# KiCad board pandemonium EC 175u plate.kicad_pcb
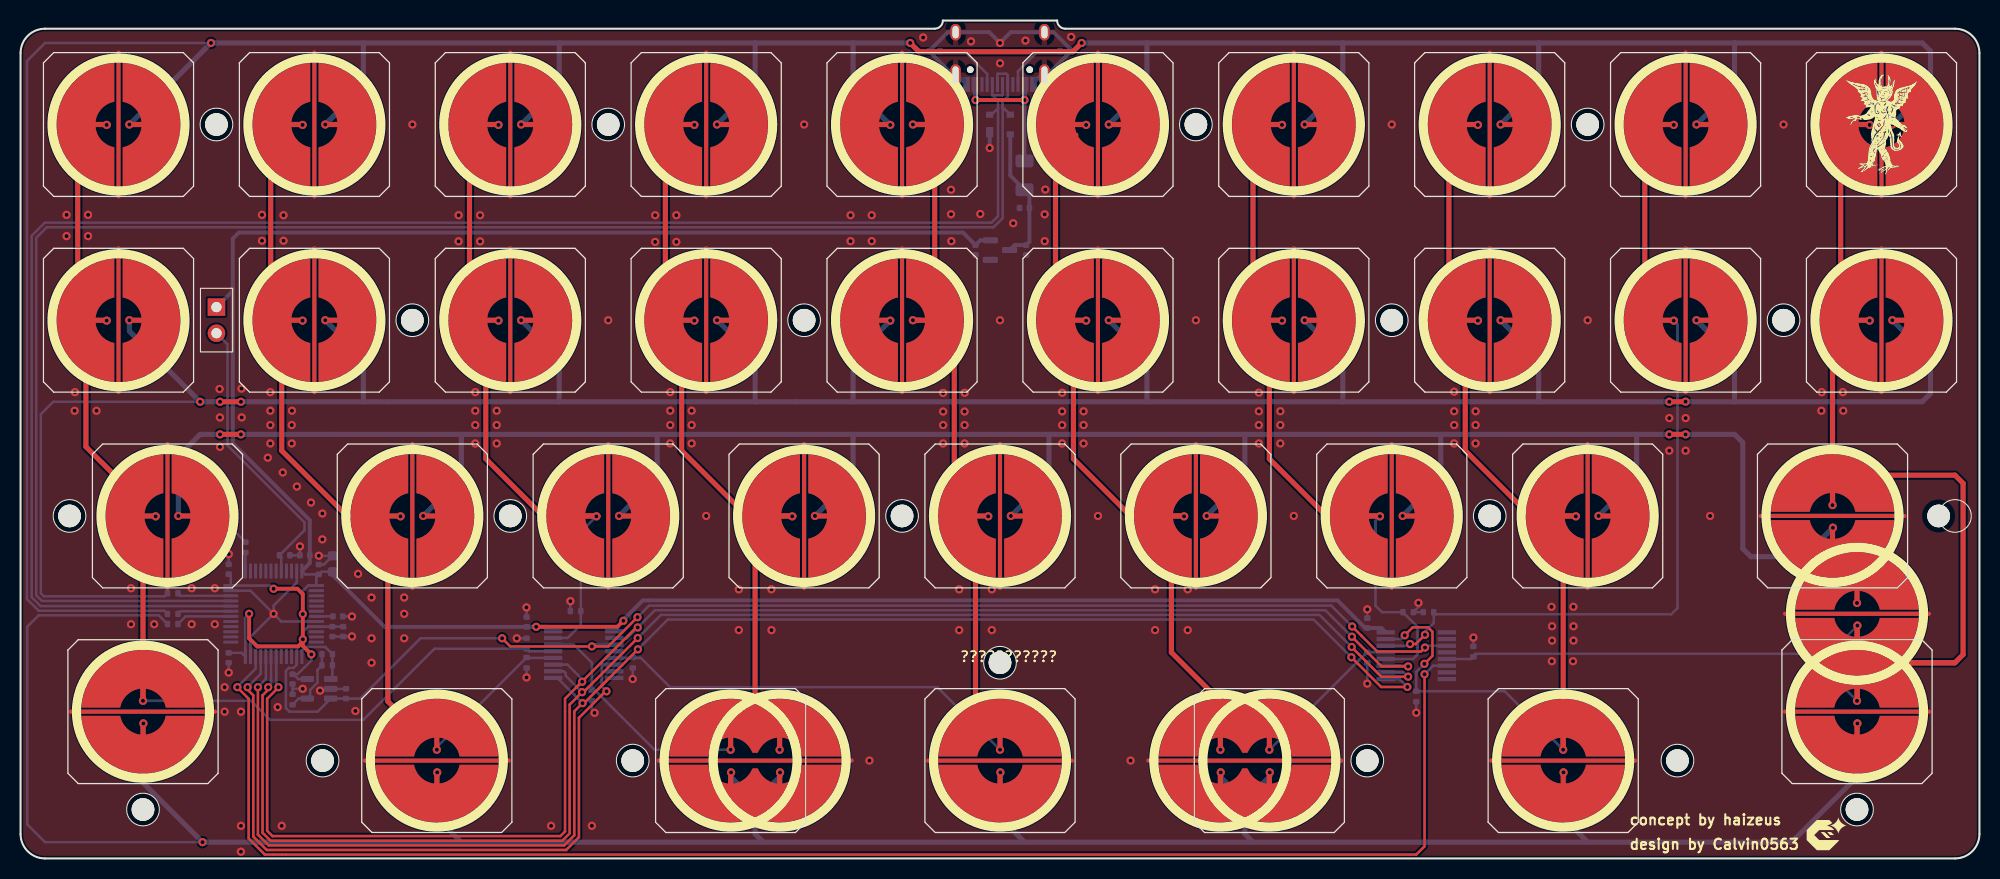
[diagram p0: board, top side]
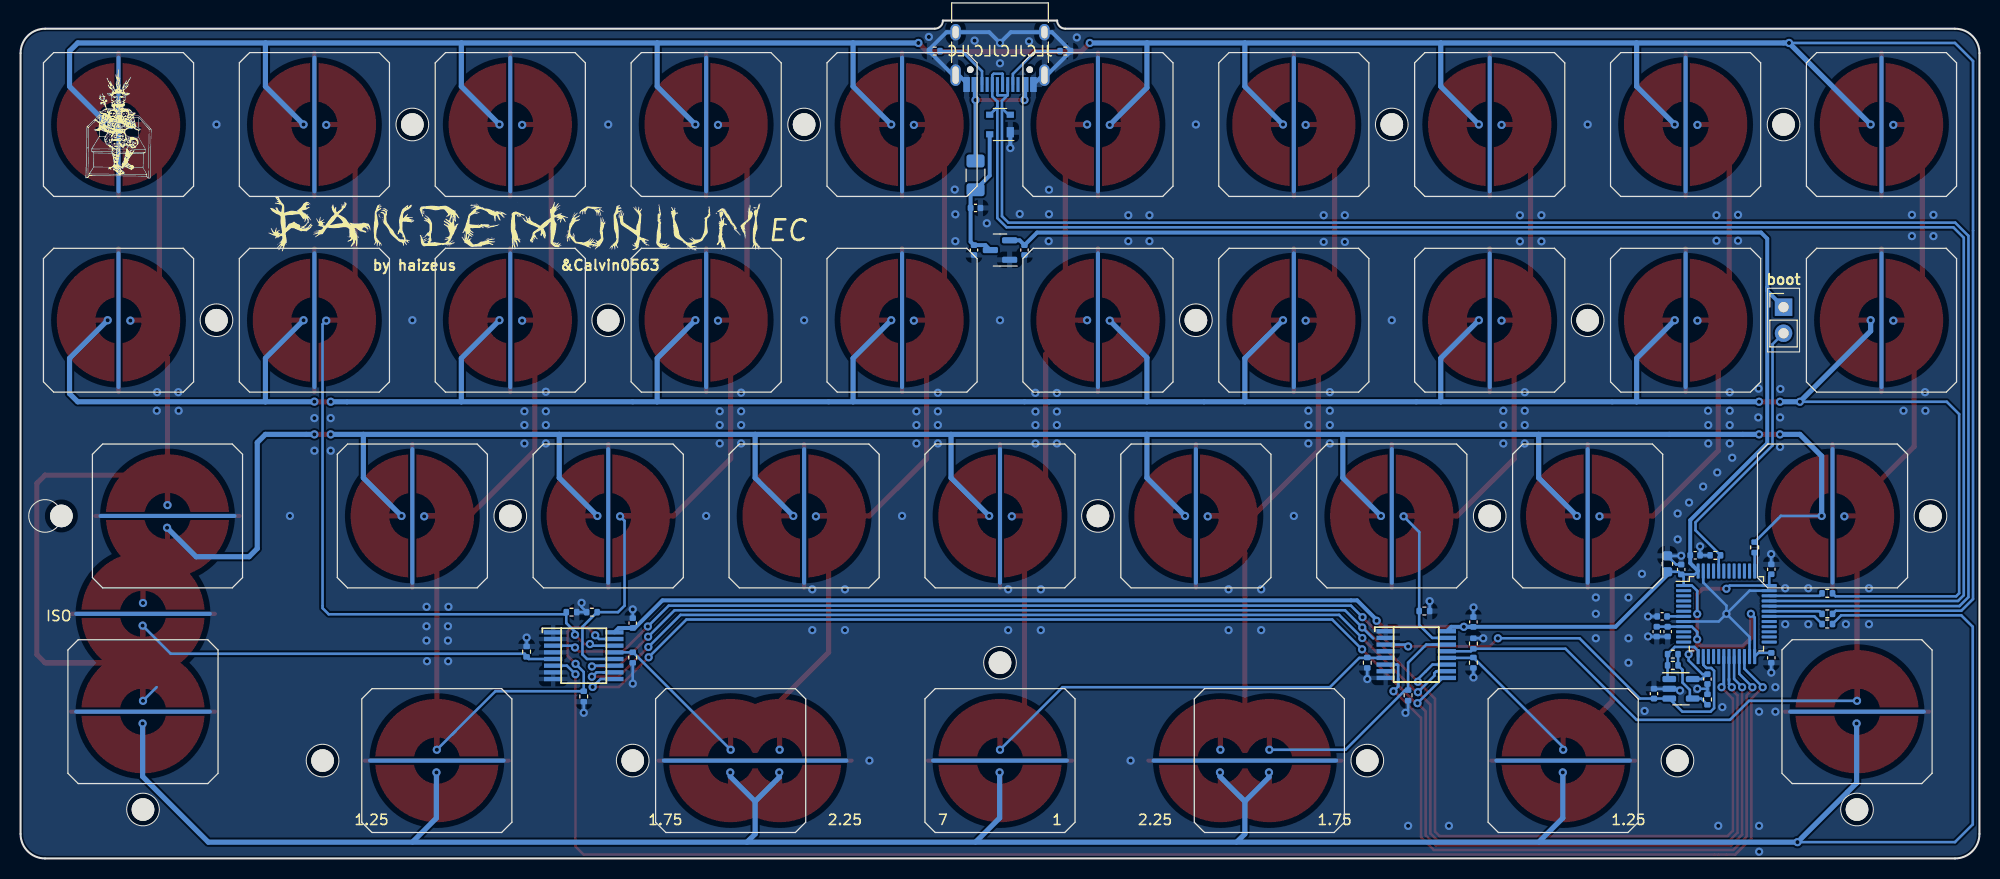
[diagram p1: board, bottom side, seen from below]

Outline 190.5 x 81.56 mm; copper layers: Top, Bottom. Coordinates in mm from the lower left corner of the outline.
Outline path: circle c4.76,33.34 r1.59 ; circle c11.91,4.76 r1.59 ; rectangle 17.49,55.5 20.63,49.3 ; circle c19.05,71.44 r1.59 ; circle c29.37,9.53 r1.59 ; circle c38.1,52.39 r1.59 ; circle c47.62,33.34 r1.59 ; circle c57.15,71.44 r1.59 ; circle c59.53,9.53 r1.59 ; circle c76.2,52.39 r1.59 ; circle c85.72,33.34 r1.59 ; circle c95.25,19.05 r1.59 ; circle c114.3,71.44 r1.59 ; circle c130.97,9.53 r1.59 ; circle c133.35,52.39 r1.59 ; circle c142.88,33.34 r1.59 ; circle c152.4,71.44 r1.59 ; circle c161.13,9.53 r1.59 ; circle c171.45,52.39 r1.59 ; circle c178.59,4.76 r1.59 ; circle c188.12,33.34 r1.59 ; 0,78.38 0,2.38 arc(0.7,0.7) 2.38,0 188.12,0 arc(189.8,0.7) 190.5,2.38 190.5,78.38 arc(189.8,80.07) 188.12,80.76 101.6,80.76 arc(101.04,80.99) 100.81,81.56 89.69,81.56 arc(89.46,80.99) 88.9,80.76 2.38,80.76 arc(0.7,80.07) 0,78.38
Stack: Top 0.035mm / dielectric 1.5mm 7268 er 4.6 / Bottom 0.035mm

## Placement (name value [footprint] x y rotation side)
C29  100n  [C_0402_1005Metric]  26.45 17.46 90 bottom
C30  220pF NP0  [C_0402_1005Metric]  31.65 16.04 90 bottom
C31  100n  [C_0402_1005Metric]  49.21 23.02 270 bottom
C32  100n  [C_0402_1005Metric]  130.97 22.91 270 bottom
C33  100nF  [C_0402_1005Metric]  29 28.13 90 bottom
C34  100nF  [C_0402_1005Metric]  30.32 22.08 270 bottom
C35  100nF  [C_0402_1005Metric]  20.24 28.15 90 bottom
C36  100nF  [C_0402_1005Metric]  27.65 29.51 180 bottom
C37  10uF  [C_0603_1608Metric]  30.35 28.68 90 bottom
C38  100n  [C_0402_1005Metric]  20.24 19.53 270 bottom
C39  1u  [C_0402_1005Metric]  31.38 22.08 270 bottom
C40  100nF  [C_0402_1005Metric]  30.86 23.56 0 bottom
C41  1uF  [C_0402_1005Metric]  97.78 59.22 90 bottom
C42  1uF  [C_0402_1005Metric]  92.87 59.22 90 bottom
C44  100nF  [C_0402_1005Metric]  97.63 63.31 180 bottom
F3  ASMD1206-150  [Fuse_1206_3216Metric]  97.63 66.49 270 bottom
G***  -  [LOGO]  103.19 130.18 0 top
G***#2  -  [LOGO]  180.97 71.44 0 top
G***#3  -  [LOGO]  -20.64 40.48 90 top
G***#4  -  [LOGO]  175.42 2.38 0 top
G***#5  -  [LOGO]  180.97 71.44 180 bottom
G***#6  -  [LOGO]  142.88 61.91 180 bottom
G***#7  -  [LOGO]  -11.91 84.14 180 bottom
H1  MountingHole  [HOLE_M2]  19.05 71.44 0 top
H2  MountingHole  [HOLE_M2]  38.1 52.39 0 top
H3  MountingHole  [HOLE_M2]  57.15 71.44 0 top
H4  MountingHole  [HOLE_M2]  76.2 52.39 0 top
H5  MountingHole  [HOLE_M2]  114.3 71.44 0 top
H6  MountingHole  [HOLE_M2]  133.35 52.39 0 top
H7  MountingHole  [HOLE_M2]  152.4 71.44 0 top
H8  MountingHole  [HOLE_M2]  171.45 52.39 0 top
H9  MountingHole  [HOLE_M2]  4.76 33.34 0 top
H10  MountingHole  [HOLE_M2]  47.62 33.34 0 top
H11  MountingHole  [HOLE_M2]  85.72 33.34 0 top
H12  MountingHole  [HOLE_M2]  142.88 33.34 0 top
H13  MountingHole  [HOLE_M2]  186.53 33.34 0 top
H14  MountingHole  [HOLE_M2]  29.37 9.53 0 top
H15  MountingHole  [HOLE_M2]  59.53 9.53 0 top
H16  MountingHole  [HOLE_M2]  95.25 19.05 0 top
H17  MountingHole  [HOLE_M2]  130.97 9.53 0 top
H18  MountingHole  [HOLE_M2]  161.13 9.53 0 top
H19  MountingHole  [HOLE_M2]  11.91 4.76 0 top
H20  MountingHole  [HOLE_M2]  178.59 4.76 0 top
J1  USB_C_Receptacle_USB2.0  [USB_C_Receptacle_HRO_TYPE-C-31-M-12]  95.25 79.38 0 bottom
R1  100  [R_0402_1005Metric]  14.8 23.81 180 bottom
R2  100  [R_0402_1005Metric]  14.8 25.81 180 bottom
R3  100  [R_0402_1005Metric]  21.86 30.28 90 bottom
R4  100  [R_0402_1005Metric]  14.8 22.82 180 bottom
R13  100k  [R_0402_1005Metric]  29.82 18.79 180 bottom
R14  1k  [R_0402_1005Metric]  26.45 15.47 90 bottom
R15  DNP  [R_0402_1005Metric]  29.82 19.89 180 bottom
R16  100k  [R_0402_1005Metric]  49.21 20.92 90 bottom
R17  100k  [R_0402_1005Metric]  55.56 15.88 270 bottom
R18  100k  [R_0402_1005Metric]  53.97 24.08 180 bottom
R19  100k  [R_0402_1005Metric]  49.21 19.05 270 bottom
R20  10k  [R_0402_1005Metric]  25.68 29.51 0 bottom
R21  100k  [R_0402_1005Metric]  59.53 19.05 270 bottom
R24  100k  [R_0402_1005Metric]  130.97 19.55 270 bottom
R25  100k  [R_0402_1005Metric]  136.92 23.97 180 bottom
R26  100k  [R_0402_1005Metric]  135.73 15.77 270 bottom
R27  100k  [R_0402_1005Metric]  134.94 23.97 0 bottom
R28  100k  [R_0402_1005Metric]  141.29 20.13 90 bottom
R29  5.1k  [R_0402_1005Metric]  88.9 78.58 0 bottom
R30  5.1k  [R_0402_1005Metric]  101.6 78.58 180 bottom
REF**  Value  [ecs_plate_cut_1U]  9.52 71.44 0 top
REF**#2  Value  [ecs_plate_cut_1U]  28.58 52.39 0 top
REF**#3  Value  [ecs_plate_cut_1U]  95.25 9.53 0 top
REF**#4  Value  [ecs_plate_cut_1U]  28.58 71.44 0 top
REF**#5  Value  [ecs_plate_cut_1U]  180.97 71.44 0 top
REF**#6  Value  [ecs_plate_cut_1U]  114.3 33.34 0 top
REF**#7  Value  [ecs_plate_cut_1U]  14.29 33.34 0 top
REF**#8  Value  [ecs_plate_cut_1U]  57.15 33.34 0 top
REF**#9  Value  [ecs_plate_cut_1U]  85.72 71.44 0 top
REF**#10  Value  [ecs_plate_cut_1U]  47.62 52.39 0 top
REF**#11  Value  [ecs_plate_cut_1U]  161.93 52.39 0 top
REF**#12  Value  [ecs_plate_cut_1U]  66.67 52.39 0 top
REF**#13  Value  [ecs_plate_cut_1U]  76.2 33.34 0 top
REF**#14  Value  [ecs_plate_cut_1U]  40.48 9.53 0 top
REF**#15  Value  [ecs_plate_cut_1U]  178.59 14.29 0 top
REF**#16  Value  [ecs_plate_cut_1U]  142.88 71.44 0 top
REF**#17  Value  [ecs_plate_cut_1U]  176.21 33.34 0 top
REF**#18  Value  [ecs_plate_cut_1U]  38.1 33.34 0 top
REF**#19  Value  [ecs_plate_cut_1U]  11.91 14.29 0 top
REF**#20  Value  [ecs_plate_cut_1U]  121.44 9.53 0 top
REF**#21  Value  [ecs_plate_cut_1U]  123.82 52.39 0 top
REF**#22  Value  [ecs_plate_cut_1U]  104.78 52.39 0 top
REF**#23  Value  [ecs_plate_cut_1U]  152.4 33.34 0 top
REF**#24  Value  [ecs_plate_cut_1U]  150.02 9.53 0 top
REF**#25  Value  [ecs_plate_cut_1U]  104.78 71.44 0 top
REF**#26  Value  [ecs_plate_cut_1U]  133.35 33.34 0 top
REF**#27  Value  [ecs_plate_cut_1U]  85.72 52.39 0 top
REF**#28  Value  [ecs_plate_cut_1U]  123.82 71.44 0 top
REF**#29  Value  [ecs_plate_cut_1U]  69.06 9.53 0 top
REF**#30  Value  [ecs_plate_cut_1U]  66.67 71.44 0 top
REF**#31  Value  [ecs_plate_cut_1U]  142.88 52.39 0 top
REF**#32  Value  [ecs_plate_cut_1U]  95.25 33.34 0 top
REF**#33  Value  [ecs_plate_cut_1U]  9.52 52.39 0 top
REF**#34  Value  [ecs_plate_cut_1U]  47.62 71.44 0 top
REF**#35  Value  [ecs_plate_cut_1U]  161.93 71.44 0 top
REF**#36  Value  [ecs_plate_cut_1U]  180.97 52.39 0 top
SW1  DFU  [PinHeader_1x02_P2.54mm_Vertical]  19.05 53.66 180 bottom
SW_EC1  Topre  [ecs_pad_1U_no_ring]  9.52 71.44 0 top
SW_EC2  Topre  [ecs_pad_1U_no_ring]  28.58 71.44 0 top
SW_EC3  Topre  [ecs_pad_1U_no_ring]  47.62 71.44 0 top
SW_EC4  Topre  [ecs_pad_1U_no_ring]  66.67 71.44 0 top
SW_EC5  Topre  [ecs_pad_1U_no_ring]  85.72 71.44 180 top
SW_EC6  Topre  [ecs_pad_1U_no_ring]  104.78 71.44 0 top
SW_EC7  Topre  [ecs_pad_1U_no_ring]  123.82 71.44 0 top
SW_EC8  Topre  [ecs_pad_1U_no_ring]  142.88 71.44 0 top
SW_EC9  Topre  [ecs_pad_1U_no_ring]  161.93 71.44 0 top
SW_EC10  Topre  [ecs_pad_1U_no_ring]  180.97 71.44 0 top
SW_EC11  Topre  [ecs_pad_1U_no_ring]  9.52 52.39 0 top
SW_EC12  Topre  [ecs_pad_1U_no_ring]  28.58 52.39 0 top
SW_EC13  Topre  [ecs_pad_1U_no_ring]  47.62 52.39 0 top
SW_EC14  Topre  [ecs_pad_1U_no_ring]  66.67 52.39 0 top
SW_EC15  Topre  [ecs_pad_1U_no_ring]  85.72 52.39 180 top
SW_EC16  Topre  [ecs_pad_1U_no_ring]  104.78 52.39 0 top
SW_EC17  Topre  [ecs_pad_1U_no_ring]  123.82 52.39 0 top
SW_EC18  Topre  [ecs_pad_1U_no_ring]  142.88 52.39 0 top
SW_EC19  Topre  [ecs_pad_1U_no_ring]  161.93 52.39 0 top
SW_EC20  Topre  [ecs_pad_1U_no_ring]  180.97 52.39 0 top
SW_EC21  Topre  [ecs_pad_1U_no_ring]  14.29 33.34 0 top
SW_EC22  Topre  [ecs_pad_1U_no_ring]  38.1 33.34 0 top
SW_EC23  Topre  [ecs_pad_1U_no_ring]  57.15 33.34 0 top
SW_EC24  Topre  [ecs_pad_1U_no_ring]  76.2 33.34 0 top
SW_EC25  Topre  [ecs_pad_1U_no_ring]  95.25 33.34 0 top
SW_EC26  Topre  [ecs_pad_1U_no_ring]  114.3 33.34 0 top
SW_EC27  Topre  [ecs_pad_1U_no_ring]  133.35 33.34 0 top
SW_EC28  Topre  [ecs_pad_1U_no_ring]  152.4 33.34 0 top
SW_EC29  Topre  [ecs_pad_1U_no_ring]  176.21 33.34 270 top
SW_EC30  Topre  [ecs_pad_1U_no_ring]  178.59 23.81 90 top
SW_EC31  Topre  [ecs_pad_1U_no_ring]  11.91 14.29 270 top
SW_EC32  Topre  [ecs_pad_1U_no_ring]  40.48 9.53 270 top
SW_EC33  Topre  [ecs_pad_no_ring_stepped&normal]  73.82 9.53 0 top
SW_EC35  Topre  [ecs_pad_1U_no_ring]  95.25 9.53 270 top
SW_EC36  Topre  [ecs_pad_no_ring_stepped&normal]  121.44 9.53 0 top
SW_EC38  Topre  [ecs_pad_1U_no_ring]  150.02 9.53 270 top
SW_EC39  Topre  [ecs_pad_1U_no_ring]  178.59 14.29 270 top
U5  OPA354  [SOT-23-5]  29.02 16.51 180 bottom
U6  74HC4051  [TSSOP16]  54.77 19.84 270 bottom
U7  74HC4051  [TSSOP16]  135.73 19.74 270 bottom
U8  STM32F072CBT6  [LQFP-48_7x7mm_P0.5mm]  24.61 23.81 180 bottom
U9  XC6206PxxxMR-Regulator_Linear  [SOT-23]  95.25 59.22 0 bottom
U11  PRTR5V0U2X  [SOT-143]  95.25 71.44 0 bottom

## Library data of the parts
C29 C31-C36 C44 = -: Description: Unpolarized capacitor; LCSC: C307331
C30 = -: Description: Unpolarized capacitor; LCSC: C1530
C37-C39 = -: Description: Unpolarized capacitor
C40 = -: Description: Unpolarized capacitor, small symbol; LCSC: C307331
C41 C42 = -: Description: Unpolarized capacitor, small symbol; LCSC: C52923
F3 = -: Description: Resettable fuse, polymeric positive temperature coefficient; LCSC: C135341
H1-H20 = -: Description: Mounting Hole without connection
J1 = -: Description: USB 2.0-only Type-C Receptacle connector; JlcPosOffset: 0,1.5; JlcRotOffset: 180
R1-R4 = -: Description: Resistor; LCSC: C25076
R13 R16-R19 R21 R24-R28 = -: Description: Resistor; LCSC: C25741
R14 = -: Description: Resistor; LCSC: C11702
R15 R29 R30 = -: Description: Resistor
R20 = -: Description: Resistor, small symbol
SW1 = -: Description: Push button switch, generic, two pins
U5 = -: Description: Single Single-Supply, Rail-to-Rail Operational Amplifier, MicroAmplifier Series, SOT-23-5
U6 U7 = -: Description: 8-channel analog multiplexer/demultiplexer, DIP-16/SOIC-16/TSSOP-16; LCSC: C5645
U8 = -: Description: STMicroelectronics Arm Cortex-M0 MCU, 128KB flash, 16KB RAM, 48 MHz, 2.0-3.6V, 37 GPIO, LQFP48; JlcRotOffset: 90
U9 = -: Description: SMD LDO regulator family; LCSC: C5446
U11 = -: Description: Ultra low capacitance double rail-to-rail ESD protection diode, SOT-143; JlcRotOffset: 90; LCSC: C2827688

## Footprints (pads in the part's own frame, mm; a bottom-side part is the same pattern mirrored in y, then rotated)
C_0402_1005Metric
  rrect 0.56x0.62 smd: 1(-0.48,0) 2(0.48,0)
C_0603_1608Metric
  rrect 0.9x0.95 smd: 1(-0.775,0) 2(0.775,0)
ecs_pad_1U_no_ring
  custom 5.595x11.973 smd: 1(-1,0) 2(1,0)
  custom 0.4x14.4 smd: 3(0,0)
  custom 0.4x13.4 smd far side: 3(0,0)
ecs_pad_no_ring_stepped&normal
  custom 16.734x5.595 smd: 1(0,1.002) 2(0,-1.002)
  custom 19.163x0.4 smd: 3(0,0)
  custom 18.163x0.4 smd far side: 3(0,0)
Fuse_1206_3216Metric
  rrect 1.25x1.75 smd: 1(-1.4,0) 2(1.4,0)
HOLE_M2
  round 2.2 hole 2.2 unplated: (0,0)
LQFP-48_7x7mm_P0.5mm
  rrect 1.475x0.3 smd: 1(-4.162,2.75) 2(-4.162,2.25) 3(-4.162,1.75) 4(-4.162,1.25) 5(-4.162,0.75) 6(-4.162,0.25) 7(-4.162,-0.25) 8(-4.162,-0.75) 9(-4.162,-1.25) 10(-4.162,-1.75) 11(-4.162,-2.25) 12(-4.162,-2.75) 25(4.162,-2.75) 26(4.162,-2.25) 27(4.162,-1.75) 28(4.162,-1.25) 29(4.162,-0.75) 30(4.162,-0.25) 31(4.162,0.25) 32(4.162,0.75) 33(4.162,1.25) 34(4.162,1.75) 35(4.162,2.25) 36(4.162,2.75)
  rrect 0.3x1.475 smd: 13(-2.75,-4.162) 14(-2.25,-4.162) 15(-1.75,-4.162) 16(-1.25,-4.162) 17(-0.75,-4.162) 18(-0.25,-4.162) 19(0.25,-4.162) 20(0.75,-4.162) 21(1.25,-4.162) 22(1.75,-4.162) 23(2.25,-4.162) 24(2.75,-4.162) 37(2.75,4.162) 38(2.25,4.162) 39(1.75,4.162) 40(1.25,4.162) 41(0.75,4.162) 42(0.25,4.162) 43(-0.25,4.162) 44(-0.75,4.162) 45(-1.25,4.162) 46(-1.75,4.162) 47(-2.25,4.162) 48(-2.75,4.162)
PinHeader_1x02_P2.54mm_Vertical
  rect 1.7x1.7 hole 1: 1(0,0)
  oval 1.7x1.7 hole 1: 2(0,-2.54)
R_0402_1005Metric
  rrect 0.54x0.64 smd: 1(-0.51,0) 2(0.51,0)
SOT-23
  rrect 1.475x0.6 smd: 1(-0.938,0.95) 2(-0.938,-0.95) 3(0.938,0)
SOT-23-5
  rrect 1.325x0.6 smd: 1(-1.137,0.95) 2(-1.137,0) 3(-1.137,-0.95) 4(1.137,-0.95) 5(1.137,0.95)
SOT-143
  rect 0.7x1 smd: 1(-1,0.75)
  rect 0.7x0.6 smd: 2(-1,-0.95) 3(1,-0.95) 4(1,0.95)
TSSOP16
  rect 0.419x1.778 smd: 1(-2.273,-2.974) 2(-1.623,-2.974) 3(-0.973,-2.974) 4(-0.323,-2.974) 5(0.323,-2.974) 6(0.973,-2.974) 7(1.623,-2.974) 8(2.273,-2.974) 9(2.273,2.974) 10(1.623,2.974) 11(0.973,2.974) 12(0.323,2.974) 13(-0.323,2.974) 14(-0.973,2.974) 15(-1.623,2.974) 16(-2.273,2.974)
USB_C_Receptacle_HRO_TYPE-C-31-M-12
  round 0.65 hole 0.65 unplated: (-2.89,2.6) (2.89,2.6)
  rect 0.6x1.45 smd: A1(-3.25,4.045) A4(-2.45,4.045) A9(2.45,4.045) A12(3.25,4.045) B1(3.25,4.045) B4(2.45,4.045) B9(-2.45,4.045) B12(-3.25,4.045)
  rect 0.3x1.45 smd: A5(-1.25,4.045) A6(-0.25,4.045) A7(0.25,4.045) A8(1.25,4.045) B5(1.75,4.045) B6(0.75,4.045) B7(-0.75,4.045) B8(-1.75,4.045)
  oval 1x1.6 hole 0.6x1.2: S1(-4.32,-1.05) S1(4.32,-1.05)
  oval 1x2.1 hole 0.6x1.7: S1(-4.32,3.13) S1(4.32,3.13)

## Nets
+3V3: C29.2 C31.2 C32.2 C33.1 C34.1 C35.1 C36.1 C37.1 C38.1 C39.1 C42.2 SW1.1 U5.5 U6.16 U7.16 U8.1 U8.9 U8.24 U8.36 U8.48 U9.2
+5V: C41.2 C44.1 F3.2 U9.3 U11.4
GND: C29.1 C30.2 C31.1 C32.1 C33.2 C34.2 C35.2 C36.2 C37.2 C38.2 C39.2 C40.2 C41.1 C42.1 C44.2 J1.A1 J1.A12 J1.B1 J1.B12 J1.S1 R14.2 R16.2 R17.2 R18.2 R19.2 R20.2 R21.2 R24.2 R25.2 R26.2 R27.2 R28.2 R29.1 R30.1 SW_EC1.3 SW_EC2.3 SW_EC3.3 SW_EC4.3 SW_EC5.3 SW_EC6.3 SW_EC7.3 SW_EC8.3 SW_EC9.3 SW_EC10.3 SW_EC11.3 SW_EC12.3 SW_EC13.3 SW_EC14.3 SW_EC15.3 SW_EC16.3 SW_EC17.3 SW_EC18.3 SW_EC19.3 SW_EC20.3 SW_EC21.3 SW_EC22.3 SW_EC23.3 SW_EC24.3 SW_EC25.3 SW_EC26.3 SW_EC27.3 SW_EC28.3 SW_EC29.3 SW_EC30.3 SW_EC31.3 SW_EC32.3 SW_EC33.3 SW_EC35.3 SW_EC36.3 SW_EC38.3 SW_EC39.3 U5.2 U6.1 U6.2 U6.4 U6.7 U6.8 U7.1 U7.2 U7.4 U7.7 U7.8 U8.8 U8.23 U8.35 U8.47 U9.1 U11.1
VBUS: F3.1 J1.A4 J1.A9 J1.B4 J1.B9
ADC: R13.1 R15.1 U5.1 U8.13
AMUX_SEL_0: U6.11 U7.11 U8.18
AMUX_SEL_1: U6.10 U7.10 U8.19
AMUX_SEL_2: U6.9 U7.9 U8.20
APLEX_EN_PIN_0: U6.6 U8.21
APLEX_EN_PIN_1: U7.6 U8.22
APLEX_OUT: C30.1 U5.3 U6.3 U7.3 U8.14
BOOT0: R20.1 SW1.2 U8.44
COL0: R16.1 SW_EC1.1 SW_EC11.1 SW_EC21.1 SW_EC31.1 U6.13
COL1: R19.1 SW_EC2.1 SW_EC12.1 SW_EC22.1 SW_EC32.1 U6.12
COL2: R18.1 SW_EC3.1 SW_EC13.1 SW_EC23.1 U6.15
COL3: R17.1 SW_EC4.1 SW_EC14.1 SW_EC24.1 SW_EC33.1 U6.14
COL4: R21.1 SW_EC5.1 SW_EC15.1 SW_EC25.1 SW_EC35.1 U6.5
COL5: R24.1 SW_EC6.1 SW_EC16.1 SW_EC26.1 SW_EC36.1 U7.13
COL6: R27.1 SW_EC7.1 SW_EC17.1 SW_EC27.1 U7.12
COL7: R26.1 SW_EC8.1 SW_EC18.1 SW_EC28.1 SW_EC38.1 U7.15
COL8: R25.1 SW_EC9.1 SW_EC19.1 U7.14
COL9: R28.1 SW_EC10.1 SW_EC20.1 SW_EC29.1 SW_EC30.1 SW_EC39.1 U7.5
D_N: J1.A7 J1.B7 U8.32 U11.2
D_P: J1.A6 J1.B6 U8.33 U11.3
NRST: C40.1 U8.7
ROW0: R1.2 SW_EC1.2 SW_EC2.2 SW_EC3.2 SW_EC4.2 SW_EC5.2 SW_EC6.2 SW_EC7.2 SW_EC8.2 SW_EC9.2 SW_EC10.2
ROW1: R2.2 SW_EC11.2 SW_EC12.2 SW_EC13.2 SW_EC14.2 SW_EC15.2 SW_EC16.2 SW_EC17.2 SW_EC18.2 SW_EC19.2 SW_EC20.2
ROW2: R3.2 SW_EC21.2 SW_EC22.2 SW_EC23.2 SW_EC24.2 SW_EC25.2 SW_EC26.2 SW_EC27.2 SW_EC28.2 SW_EC29.2 SW_EC30.2
ROW3: R4.2 SW_EC31.2 SW_EC32.2 SW_EC33.2 SW_EC35.2 SW_EC36.2 SW_EC38.2 SW_EC39.2
Net-(J1-CC1): J1.A5 R29.2
Net-(J1-CC2): J1.B5 R30.2
Net-(U5--): R13.2 R14.1 R15.2 U5.4
Net-(U8-PA9): R4.1 U8.30
Net-(U8-PA10): R1.1 U8.31
Net-(U8-PA13): R2.1 U8.34
Net-(U8-PA14): R3.1 U8.37

Pads without a net: J1 A8 B8; U8 2 3 4 5 6 10 11 12 15 16 17 25 26 27 28 29 38 39 40 41 42 43 45 46

## Via types
v1: diameter 0.8, hole 0.4, Top to Bottom, 313 vias

## Routing (per net, layer and track width the routed paths; a pad name or vN(x,y) marks a point on that pad's centre or on a via; arc(x,y) is an arc through that point)
+3V3: length 271.4
  Top w0.381: v1(27.45,21.33) 27.45,21.33 v1(27.45,23.79) 27.45,25.73 26.93,26.25 v1(24.61,26.25) ; v1(27.45,21.33) 27.45,20.69 v1(28.28,19.86) 28.3,19.84 ; v1(27.45,21.33) 27.45,21.1 26.99,20.64 23.02,20.64 22.23,21.43 v1(22.23,23.81) ; v1(50.14,22.55) 58.04,22.55 v1(58.62,23.13)
  Bottom w0.25: 27.87,28.49 U8.48 27.68,27.65 C33.1 ; v1(27.45,21.33) 27.45,22.05 27.97,22.56 U8.9 31.37,22.56 C39.1 ; v1(27.45,23.79) 27.45,26.05 27.97,26.56 U8.1 28.77,27.41 C33.1 ; C38.1 21.5,20.01 U8.24 21.86,23.44 v1(22.23,23.81) ; C33.1 29.26,27.9 C37.1 ; U5.5 27,17.46 26.53,17.94 C29.2 26.95,17.94 28.28,19.27 v1(28.28,19.86) ; C35.1 20.44,27.46 U8.36 24.29,26.56 v1(24.61,26.25)
  Bottom w0.381: v1(58.62,23.13) 58.62,23.23 60.52,25.12 128.07,25.12 130.76,22.43 131.76,22.43 ; 20.64,55.56 20.64,55.25 SW1.1 ; 20.64,55.56 20.64,60.33 21.23,60.92 91.65,60.92 C42.2 93.34,60.17 U9.2 ; 20.64,55.56 20.64,40.42 28.12,32.93 C36.1 28.12,28.74 27.4,28.02 27.4,27.98 ; v1(50.14,22.55) 49.22,22.55 C31.2 ; v1(50.14,22.55) 51.36,22.55 U6.16 ; v1(50.14,22.55) 35.4,22.55 30.35,27.59 C37.1 ; 131.76,22.43 132.34,22.43 U7.16 ; 131.76,22.43 C32.2 130.88,22.52
+5V: length 13.5
  Bottom w0.381: U9.3 96.67,59.7 C41.2 98.11,60.03 C44.1 98.11,64.61 F3.2 96.25,66.47 U11.4
GND: length 74.9
  Bottom w0.25: v1(29,29.46) 29.01,29.45 C37.2 29.5,28.61 C33.2 ; 130.97,24.24 130.97,24.24 C32.1 ; v1(20.25,29.63) 20.24,29.62 C35.2 ; v1(49.21,17.62) 49.21,17.62 R19.2 ; R28.2 v1(141.29,21.5) ; v1(32.23,23.55) 32.22,23.56 C40.2 ; R20.2 C36.2 27.16,30.37 v1(27.17,30.37) ; 53.47,24.08 53.47,25.04 v1(53.47,25.04) ; v1(24.61,23.81) 22.36,21.56 U8.23 ; v1(24.61,23.81) 25.36,23.06 U8.8 ; v1(24.61,23.81) 22.36,26.06 U8.35 ; v1(24.61,23.81) 24.61,24.61 26.86,26.86 U8.47 ; v1(135.94,24.88) 135.94,24.47 R27.2 R25.2 ; v1(29.12,16.34) 29.3,16.51 U5.2 31.64,16.51 C30.2 ; C31.1 49.21,24.42 v1(49.2,24.43) ; R16.2 48.26,21.43 v1(48.26,21.43) ; v1(55.82,14.17) 55.56,14.43 R17.2 ; 20.24,19.05 20.24,19.05 v1(20.24,18.09) ; 26.45,16.51 v1(27.44,16.51) ; 26.45,16.51 R14.2 ; 26.45,16.51 C29.1 ; v1(130.96,17.01) 130.97,17.02 130.97,19.05 ; R21.2 v1(59.53,17.46) ; R26.2 v1(135.73,14.18) ; C34.2 C39.2 32.22,21.6 v1(32.23,21.61)
  Bottom w0.381: v1(94.24,69.15) 94.25,69.16 U11.1 ; 98.43,75.41 99.26,76.25 J1.S1 99.82,76.25 102.11,78.54 R30.1 102.11,78.77 100.45,80.43 J1.S1 96.3,80.43 v1(95.25,79.38) 94.2,80.43 J1.S1 90.19,80.43 88.39,78.62 R29.1 88.39,78.54 90.68,76.25 J1.S1 91.08,76.25 J1.A1
  vias: v1(4.47,62.64) v1(4.47,60.57) v1(5.29,45.38) v1(5.26,43.58) v1(6.57,62.64) v1(6.57,60.57) v1(7.39,43.58) v1(10.74,26.3) v1(10.74,22.8) v1(12.99,22.8) v1(16.64,26.3) v1(16.64,22.8) v1(18.89,26.3) v1(18.89,22.8) v1(19.35,45.69) v1(19.39,42.93) v1(19.39,40.06) v1(19.84,16.67) v1(19.84,14.29) v1(21.48,45.73) v1(21.43,14.29) v1(21.43,3.18) v1(21.43,0.66) v1(21.51,42.93) v1(23.48,62.64) v1(23.48,60.13) v1(24.05,39) v1(24.29,45.38) v1(24.29,43.58) v1(24.29,42.18) v1(24.29,40.39) v1(25.01,14.73) v1(25.4,3.18) v1(25.5,37.57) v1(25.57,62.61) v1(25.57,60.13) v1(26.39,43.58) v1(26.37,42.18) v1(26.37,40.39) v1(26.87,36.2) v1(28.24,34.64) v1(29.35,33.57) v1(29.35,31.06) v1(32.57,14.36) v1(32.82,27.7) v1(34.13,25.4) v1(34.13,21.43) v1(34.13,19.05) v1(37.31,25.4) v1(37.31,23.81) v1(37.31,21.43) v1(38.1,71.44) v1(42.6,62.61) v1(42.6,60.07) v1(44.22,45.38) v1(44.22,43.58) v1(44.22,42.18) v1(44.22,40.39) v1(44.69,62.61) v1(44.69,60.07) v1(46.3,43.58) v1(46.3,42.18) v1(46.3,40.39) v1(51.59,3.18) v1(55.56,3.18) v1(57.15,52.39) v1(61.71,62.61) v1(61.71,60.01) v1(63.18,45.39) v1(63.18,43.58) v1(63.18,42.19) v1(63.18,40.39) v1(63.77,62.61) v1(63.77,60.01) v1(65.26,43.58) v1(65.26,42.19) v1(65.26,40.39) v1(66.67,33.34) v1(69.85,26.19) v1(69.85,22.23) v1(73.03,26.19) v1(73.03,22.23) v1(76.2,71.44) v1(80.72,62.61) v1(80.72,60.09) v1(82.55,9.53) v1(82.77,62.61) v1(82.77,60.09) v1(87.78,79.91) v1(89.72,45.31) v1(89.72,43.5) v1(89.72,42.19) v1(89.72,40.39) v1(90.49,65.09) v1(90.49,62.71) v1(90.52,60.08) v1(91.28,26.19) v1(91.28,22.23) v1(91.82,45.32) v1(91.8,43.5) v1(91.8,42.19) v1(91.8,40.39) v1(92.43,79.53) v1(93.33,62.73) v1(94.46,26.19) v1(94.46,22.23) v1(95.25,77.4) v1(95.25,52.39) v1(96.53,61.82) v1(97.72,79.6) v1(99.6,62.69) v1(99.6,60.08) v1(99.65,65.11) v1(101.29,45.33) v1(101.29,43.52) v1(101.29,42.19) v1(101.29,40.39) v1(102.17,79.96) v1(103.38,43.52) v1(103.38,42.19) v1(103.38,40.39) v1(104.78,33.34) v1(107.95,9.53) v1(110.33,26.19) v1(110.33,22.23) v1(113.51,26.19) v1(113.51,22.23) v1(114.3,52.39) v1(120.43,45.33) v1(120.43,43.53) v1(120.43,42.19) v1(120.43,40.39) v1(122.51,43.53) v1(122.51,42.19) v1(122.51,40.39) v1(123.82,33.34) v1(130.97,24.24) v1(133.35,71.44) v1(139.42,45.43) v1(139.42,43.53) v1(139.42,42.19) v1(139.42,40.39) v1(141.5,43.53) v1(141.5,42.19) v1(141.5,40.39) v1(148.89,24.49) v1(148.94,22.6) v1(148.94,21.21) v1(148.92,19.2) v1(150.98,19.2) v1(151.01,24.49) v1(151.02,22.6) v1(151.02,21.21) v1(152.4,52.39) v1(160.34,42.86) v1(160.34,39.69) v1(161.93,42.86) v1(161.93,39.69) v1(164.31,33.34) v1(171.45,71.44) v1(175.16,45.38) v1(175.13,43.58) v1(177.22,45.38) v1(177.26,43.58)
VBUS: length 13.8
  Top w0.381: v1(92.87,73.82) v1(97.63,73.82)
  Bottom w0.381: J1.A4 92.8,73.89 v1(92.87,73.82) ; F3.1 v1(97.63,73.82) 97.7,73.89 J1.A9
ADC: length 6.5
  Bottom w0.25: U8.13 27.36,20.21 27.73,20.59 29.63,20.59 R15.1 30.33,17.63 U5.1
AMUX_SEL_0: length 161
  Top w0.25: 54.6,17.2 54.02,16.62 ; 54.02,16.62 59.88,22.48 v1(60.02,22.48) ; 54.02,16.62 54.66,17.26 ; 54.02,16.62 52.95,15.55 52.95,2.63 52.5,2.18 24.5,2.18 23.98,2.69 23.98,15.54 25.08,16.64 v1(25.08,16.67) ; 134.91,18.69 v1(134.94,18.69) 132.36,18.69 v1(129.47,21.58)
  Bottom w0.25: 24.86,16.75 U8.18 24.86,16.89 v1(25.08,16.67) ; v1(129.47,21.58) 126.9,24.16 61.69,24.16 v1(60.02,22.48) 58.96,21.42 ; U6.11 53.19,18.87 54.62,17.44 v1(54.62,17.2) ; v1(134.94,18.69) 134.86,18.76 U7.11 134.14,18.76
AMUX_SEL_1: length 155.6
  Top w0.25: v1(134.94,17.69) 132.34,17.69 v1(129.45,20.58) ; v1(24.08,16.67) 24.08,16.42 23.53,15.88 23.53,2.5 24.31,1.73 52.68,1.73 53.4,2.44 53.4,14.98 v1(54.61,16.19) 54.75,16.19 v1(60.02,21.46)
  Bottom w0.25: v1(129.45,20.58) 126.32,23.71 62.27,23.71 v1(60.02,21.46) ; 133.86,18.11 U7.10 134.49,18.11 134.91,17.69 v1(134.94,17.69) ; 24.36,17.46 24.36,17.27 ; 24.36,17.46 U8.19 ; 24.36,17.46 24.36,16.94 v1(24.08,16.67) ; v1(54.61,16.19) 53.01,17.78 53.01,18.04 52.82,18.22 U6.10
AMUX_SEL_2: length 156.6
  Top w0.25: 56.15,16.46 57.15,17.46 ; 57.15,17.46 60.04,20.35 v1(60.04,20.36) ; 57.15,17.46 54.8,15.12 v1(54.65,15.12) 53.85,14.31 53.85,2.26 52.87,1.28 24.12,1.28 23.08,2.32 v1(23.08,16.67) ; v1(129.42,19.58) 132.31,16.69 v1(134.87,16.69) 134.94,16.62
  Bottom w0.25: v1(60.04,20.36) 60.04,20.36 62.94,23.26 125.75,23.26 v1(129.42,19.58) ; U7.9 134.1,17.46 v1(134.87,16.69) ; v1(23.08,16.67) 23.08,16.69 23.86,17.47 U8.20 ; U6.9 52.2,17.57 v1(54.65,15.12)
APLEX_EN_PIN_0: length 71.3
  Top w0.25: v1(56.98,16.27) 56.89,16.27 56.43,15.81 ; v1(22.08,16.67) 22.08,16.42 22.63,15.88 22.63,2.13 23.94,0.83 53.06,0.83 54.3,2.07 54.3,13.68 56.43,15.81 ; 56.43,15.81 56.61,15.99
  Bottom w0.25: U6.6 56.6,18.87 56.53,18.8 56.53,17.46 ; 56.53,17.46 56.53,16.73 ; 56.53,17.46 56.53,16.73 ; v1(22.08,16.67) 22.08,16.69 23.36,17.97 U8.21 ; 56.53,16.73 v1(56.98,16.27)
APLEX_EN_PIN_1: length 153.5
  Top w0.25: v1(136.54,17.93) 136.54,1.18 135.73,0.38 23.75,0.38 22.18,1.95 22.18,15.54 21.08,16.64 v1(21.08,16.67)
  Bottom w0.25: v1(21.08,16.67) 21.08,16.69 22.86,18.47 U8.22 ; v1(136.54,17.93) 137.37,18.76 U7.6
APLEX_OUT: length 128
  Top w0.25: v1(46.83,21.43) 47.62,20.64 v1(55.56,20.64) 57.15,20.64 v1(60,23.48) ; v1(129.5,22.58) 130.41,21.67 131.93,20.14 136.19,20.14 v1(136.58,20.53)
  Bottom w0.25: U8.14 26.86,18.85 26.55,18.54 26.09,18.54 25.8,18.26 25.8,14.63 26.15,14.29 28.89,14.29 U5.3 31.65,15.56 C30.1 33.02,15.56 38.89,21.43 v1(46.83,21.43) ; U6.3 55.74,20.82 v1(55.56,20.64) ; U7.3 136.76,20.71 v1(136.58,20.53) ; v1(129.5,22.58) 127.47,24.61 61.12,24.61 v1(60,23.48)
BOOT0: length 27.8
  Bottom w0.25: R20.1 27.61,31.94 27.61,32.72 20.12,40.2 20.12,50.05 SW1.2 ; R20.1 25.22,29.55 ; R20.1 25.36,29.32 U8.44
COL0: length 93.1
  Top w0.5: SW_EC1.1 8.49,71.4 v1(8.37,71.4) ; 6.59,69.61 5.56,68.58 5.56,55.36 ; 6.35,50.32 6.35,40.08 11.71,34.73 ; 11.91,32.07 SW_EC31.1
  Bottom w0.25: 49.2,20.4 R16.1 ; R16.1 49.46,20.17 U6.13 ; R16.1 40.25,20.41 33.34,13.49 24.25,13.49 22.41,15.34 v1(11.91,15.34)
  vias: v1(8.37,52.35) v1(13.14,33.3)
COL1: length 75.3
  Top w0.5: 38.2,12.8 35.72,15.29 35.72,32.07 ; 26.09,53.87 24.33,55.63 24.33,68.3 25.64,69.61 ; 25.4,50.32 25.4,39.69 31.75,33.34 34.92,33.34
  Bottom w0.25: 49.21,19.56 40.48,10.83 v1(40.48,10.58) ; 49.21,19.52 U6.12
  vias: v1(27.42,71.4) v1(27.42,52.35) v1(36.95,33.3)
COL2: length 57.2
  Top w0.5: SW_EC23.1 50.8,33.34 45.24,38.89 45.24,51.12 ; 45.08,70.01 43.66,68.58 43.66,55.36 45.14,53.87
  Bottom w0.25: U6.15 53.22,21.47 54.48,22.73 R18.1 54.48,31.78 v1(56,33.3)
  vias: v1(46.47,71.4) v1(46.47,52.35)
COL3: length 86.9
  Top w0.5: 63.74,69.61 62.71,68.58 62.71,55.36 64.19,53.87 ; 64.29,51.12 64.29,39.69 70.64,33.34 SW_EC24.1 ; 72.34,12.01 71.44,12.91 71.44,29.69 73.26,31.51
  Bottom w0.25: v1(69.06,10.58) 61.65,10.58 55.85,16.39 R17.1 55.56,19.05 53.8,20.82 U6.14 53.22,20.82
  vias: v1(65.52,71.4) v1(65.52,52.35) v1(73.82,10.58) v1(75.05,33.3)
COL4: length 97.8
  Top w0.5: 92.37,35.22 90.81,36.78 90.81,49.07 88.59,51.28 ; 88.9,54.56 88.9,71.44 SW_EC5.1 ; 92.87,32.07 92.87,12.91 ; v1(86.78,52.39) 87.49,52.39
  Bottom w0.25: 60.33,19.51 63.17,16.67 89.16,16.67 v1(95.25,10.58) ; U6.5 60.31,19.52 ; 59.52,19.52 59.53,19.51
  vias: v1(86.78,71.44) v1(94.1,33.3)
COL5: length 81.6
  Top w0.5: SW_EC26.1 107.95,33.34 102.39,38.89 102.39,51.12 ; 111.92,32.07 111.92,20.05 119.96,12.01 ; 102.63,70.41 100.65,68.42 100.65,55.32 101.8,54.17
  Bottom w0.25: v1(121.44,10.58) 130.93,20.06 R24.1 132.75,20.06 U7.13
  vias: v1(103.62,71.4) v1(103.62,52.35) v1(113.15,33.3) v1(116.68,10.58)
COL6: length 60.7
  Top w0.5: 119.86,55.17 119.86,68.58 121.28,70.01 ; SW_EC27.1 127,33.34 121.44,38.89 121.44,51.12
  Bottom w0.25: v1(132.2,33.3) 131.76,32.86 131.76,24.61 132.4,23.97 R27.1 135.86,22.55 135.86,19.86 135.41,19.41 U7.12
  vias: v1(122.67,71.4) v1(122.67,52.35)
COL7: length 92.1
  Top w0.25: v1(136.53,18.94) 137.3,19.72 137.3,22.07 136.88,22.49 135.38,22.49 v1(134.61,21.72)
  Top w0.5: 140.39,53.87 138.91,55.36 138.91,68.58 139.94,69.61 ; SW_EC28.1 146.84,33.34 140.49,39.69 140.49,51.12 ; 150.02,32.07 SW_EC38.1
  Bottom w0.25: v1(136.53,18.94) 135.73,18.15 R26.1 144.32,16.28 148.56,12.04 ; v1(150.02,10.58) 148.56,12.04 ; 148.56,12.04 148.18,12.42 ; v1(134.61,21.72) 134.25,21.36 U7.15
  vias: v1(141.72,71.4) v1(141.72,52.35) v1(151.25,33.3)
COL8: length 75.8
  Top w0.25: v1(135.13,20.87) 135.68,20.87 v1(136.58,21.77)
  Top w0.5: 158.99,69.61 157.96,68.58 157.96,55.36 159.44,53.87
  Bottom w0.25: v1(136.58,21.77) 136.58,22.06 137.43,22.91 R25.1 137.63,23.77 160.54,23.77 161.13,24.36 161.13,51.99 v1(160.77,52.35) ; U7.14 134.97,20.71 v1(135.13,20.87)
  vias: v1(160.77,71.4)
COL9: length 130
  Top w0.5: 178.49,53.87 177.01,55.36 177.01,68.58 178.43,70.01 ; v1(176.21,34.39) 176.21,48.74 178.04,50.56 ; 188.12,19.05 188.91,19.84 188.91,36.51 188.12,37.31 179.13,37.31 177.67,35.85 ; 188.12,19.05 178.59,19.05 ; 188.12,19.05 182.36,19.05 ; v1(178.63,22.66) 178.63,15.38 v1(178.59,15.34)
  Bottom w0.25: U7.5 141.08,19.41 R28.1 ; v1(178.59,15.34) 177.27,16.67 ; v1(178.63,22.66) 175.9,19.92 141.48,19.92 141.29,19.74
  vias: v1(179.82,71.4) v1(179.82,52.35)
D_N: length 165.8
  Bottom w0.25: 94.5,74.31 95.06,73.75 95.06,73.03 ; 94.5,74.31 94.53,74.28 95.47,74.28 95.5,74.31 J1.A7 ; 94.5,74.31 J1.B7 ; 95.06,73.03 95.06,62.52 94.43,61.88 2.35,61.88 1.07,60.6 1.07,25.44 1.95,24.56 U8.32 ; 95.06,73.03 94.42,72.39 U11.2
D_P: length 166.9
  Bottom w0.25: 95.51,73.03 95.61,73.03 95.83,72.81 ; 95.51,73.03 95.51,62.33 94.61,61.43 2.54,61.43 1.52,60.42 1.52,25.62 2.08,25.06 U8.33 ; 95.51,73.03 95.51,73.68 ; 95.51,73.68 96,74.17 J1.B6 96,76.24 95.86,76.38 95.03,76.38 95,76.36 J1.A6 ; 95.51,73.68 95.51,73.13 95.83,72.81 ; 95.83,72.81 U11.3
NRST: length 1.6
  Bottom w0.25: C40.1 30.37,23.56 U8.7
ROW0: length 349.2
  Top w0.5: v1(86.52,79.38) 87.37,78.53 102.34,78.53 v1(103.19,79.38)
  Bottom w0.25: R1.2 13.98,24.11 1.76,24.11 0.62,25.25 0.62,77.62 2.38,79.38 v1(18.52,79.38)
  Bottom w0.5: 109.54,79.38 128.59,79.38 ; 109.54,79.38 v1(103.19,79.38) ; 109.54,79.38 109.54,75.15 v1(105.83,71.44) ; 128.59,79.38 147.64,79.38 ; 128.59,79.38 128.59,75.15 v1(124.88,71.44) ; 147.64,79.38 166.69,79.38 ; 147.64,79.38 147.64,75.15 v1(143.93,71.44) ; 166.69,79.38 184.94,79.38 185.74,78.58 185.74,75.15 v1(182.03,71.44) ; 166.69,79.38 166.69,75.15 v1(162.98,71.44) ; 33.34,79.38 33.34,75.15 v1(29.63,71.44) ; 33.34,79.38 52.39,79.38 ; 33.34,79.38 v1(18.52,79.38) v1(10.58,71.44) ; 71.44,79.38 80.96,79.38 ; 71.44,79.38 71.44,75.15 v1(67.73,71.44) ; 71.44,79.38 52.39,79.38 ; 80.96,79.38 80.96,75.01 v1(84.57,71.4) ; 80.96,79.38 v1(86.52,79.38) ; v1(48.68,71.44) 52.39,75.15 52.39,79.38
ROW1: length 309.8
  Top w0.5: v1(21.43,44.45) v1(19.4,44.45) ; v1(160.34,44.45) 161.91,44.45 v1(161.93,44.46)
  Bottom w0.25: v1(17.46,44.45) 3.17,44.45 1.97,43.25 1.97,25.81 2.27,25.51 13.99,25.51 R2.2
  Bottom w0.5: 109.54,44.45 109.54,48.68 v1(105.83,52.39) ; 109.54,44.45 128.59,44.45 ; 109.54,44.45 80.96,44.45 ; v1(29.63,52.39) 33.34,48.68 33.34,44.45 ; 147.64,44.45 128.59,44.45 ; 147.64,44.45 147.64,48.68 v1(143.93,52.39) ; 147.64,44.45 v1(160.34,44.45) ; 52.39,44.45 52.39,48.68 v1(48.68,52.39) ; 52.39,44.45 71.44,44.45 ; 52.39,44.45 33.34,44.45 ; 128.59,44.45 128.59,48.68 v1(124.88,52.39) ; v1(19.4,44.45) v1(17.46,44.45) 10.58,51.33 v1(10.58,52.39) ; 80.96,44.45 80.96,48.74 v1(84.57,52.35) ; 80.96,44.45 71.44,44.45 ; 71.44,44.45 71.44,48.68 v1(67.73,52.39) ; 166.69,44.45 184.94,44.45 185.74,45.24 185.74,48.68 v1(182.03,52.39) ; 166.69,44.45 166.69,48.68 v1(162.98,52.39) ; 166.69,44.45 161.94,44.45 v1(161.93,44.46) ; 33.34,44.45 v1(21.43,44.45)
ROW2: length 253.6
  Top w0.5: v1(160.34,41.28) v1(161.93,41.28) ; v1(21.43,41.28) v1(19.4,41.28)
  Bottom w0.25: v1(15.34,33.34) 19.32,33.34 R3.2
  Bottom w0.5: 119.06,41.28 138.11,41.28 ; 119.06,41.28 119.06,37.05 v1(115.35,33.34) ; 119.06,41.28 100.01,41.28 ; 138.11,41.28 138.11,37.05 v1(134.4,33.34) ; 138.11,41.28 157.16,41.28 ; 42.86,41.28 42.86,37.05 v1(39.15,33.34) ; 42.86,41.28 61.91,41.28 ; 42.86,41.28 v1(21.43,41.28) ; 61.91,41.28 80.96,41.28 ; 61.91,41.28 61.91,37.05 v1(58.2,33.34) ; 80.96,41.28 80.96,37.05 v1(77.25,33.34) ; 80.96,41.28 100.01,41.28 ; v1(15.34,33.34) 15.34,39.15 17.46,41.28 v1(19.4,41.28) ; v1(153.45,33.34) 157.16,37.05 157.16,41.28 ; v1(96.3,33.34) 100.01,37.05 100.01,41.28 ; 157.16,41.28 v1(160.34,41.28) ; v1(161.93,41.28) 166.69,41.28 167.48,40.48 167.48,30.16 168.28,29.37 173.43,29.37 v1(176.25,32.19)
  vias: v1(178.59,24.87)
ROW3: length 280.7
  Bottom w0.25: v1(17.7,1.59) 2.38,1.59 0.65,3.32 0.65,22.55 1.76,23.66 13.44,23.66 R4.2
  Bottom w0.5: 17.36,1.93 11.95,7.34 v1(11.95,13.14) ; v1(17.7,1.59) 172.24,1.59 178.63,7.98 v1(178.63,13.14) ; 119.06,5.56 121.48,7.98 v1(121.48,8.37) ; 119.06,5.56 116.72,7.9 v1(116.72,8.37) ; 119.06,5.56 119.06,2.38 119.86,1.59 ; 42.86,1.59 40.52,3.93 v1(40.52,8.37) ; 97.63,1.59 95.29,3.93 v1(95.29,8.37) ; 71.44,5.56 73.86,7.98 v1(73.86,8.37) ; 71.44,5.56 71.44,2.38 72.23,1.59 ; 71.44,5.56 69.1,7.9 v1(69.1,8.37) ; v1(150.06,8.37) 150.06,3.93 152.4,1.59
Net-(J1-CC1): length 6.5
  Bottom w0.25: R29.2 91.77,78.58 94,76.36 J1.A5
Net-(J1-CC2): length 6.2
  Bottom w0.25: J1.B5 97,76.62 98.96,78.58 R30.2
Net-(U5--): length 6.6
  Bottom w0.25: R15.2 R13.2 28.88,18.36 28.88,17.12 28.16,16.4 28.16,15.84 U5.4 27.05,15.56 R14.1
Net-(U8-PA9): length 5.4
  Bottom w0.25: R4.1 16.05,23.56 U8.30
Net-(U8-PA10): length 5.2
  Bottom w0.25: R1.1 15.56,24.06 U8.31
Net-(U8-PA13): length 5.2
  Bottom w0.25: U8.34 15.55,25.56 R2.1
Net-(U8-PA14): length 1.8
  Bottom w0.25: R3.1 21.86,27.98 U8.37

## Copper pours and planes (outline as drawn; the poured copper is in the pictures)
GND on Top, Bottom: -11.91,86.52 205.58,86.52 205.58,-9.52 -11.91,-9.52

## Text on the board
Bottom: REDO ALL THE VIAS
B.Silkscreen: ISO | JLCJLCJLCJLC | 1.25 | 1.75 | 2.25 | 1 | 7 | &Calvin0563 | by haizeus | boot | BAT | + | - | EC
F.Silkscreen: 𝔓𝔞𝔫𝔡𝔢𝔪𝔬𝔫𝔦𝔲𝔪 | concept by haizeus | design by Calvin0563 | BAT | + | -
